# Altium PCB PCB1.PcbDoc (part 2 of 2)
Units mm, origin at the board's own origin, x right, y up, seen from the top; angles counter-clockwise.
Board outline 57.07 x 67 mm, 4 copper layers (Top Layer, Layer 1, Layer 2, Bottom Layer), stack 0.746 mm thick; 71 components, 65 nets, 322 pads, 168 vias.
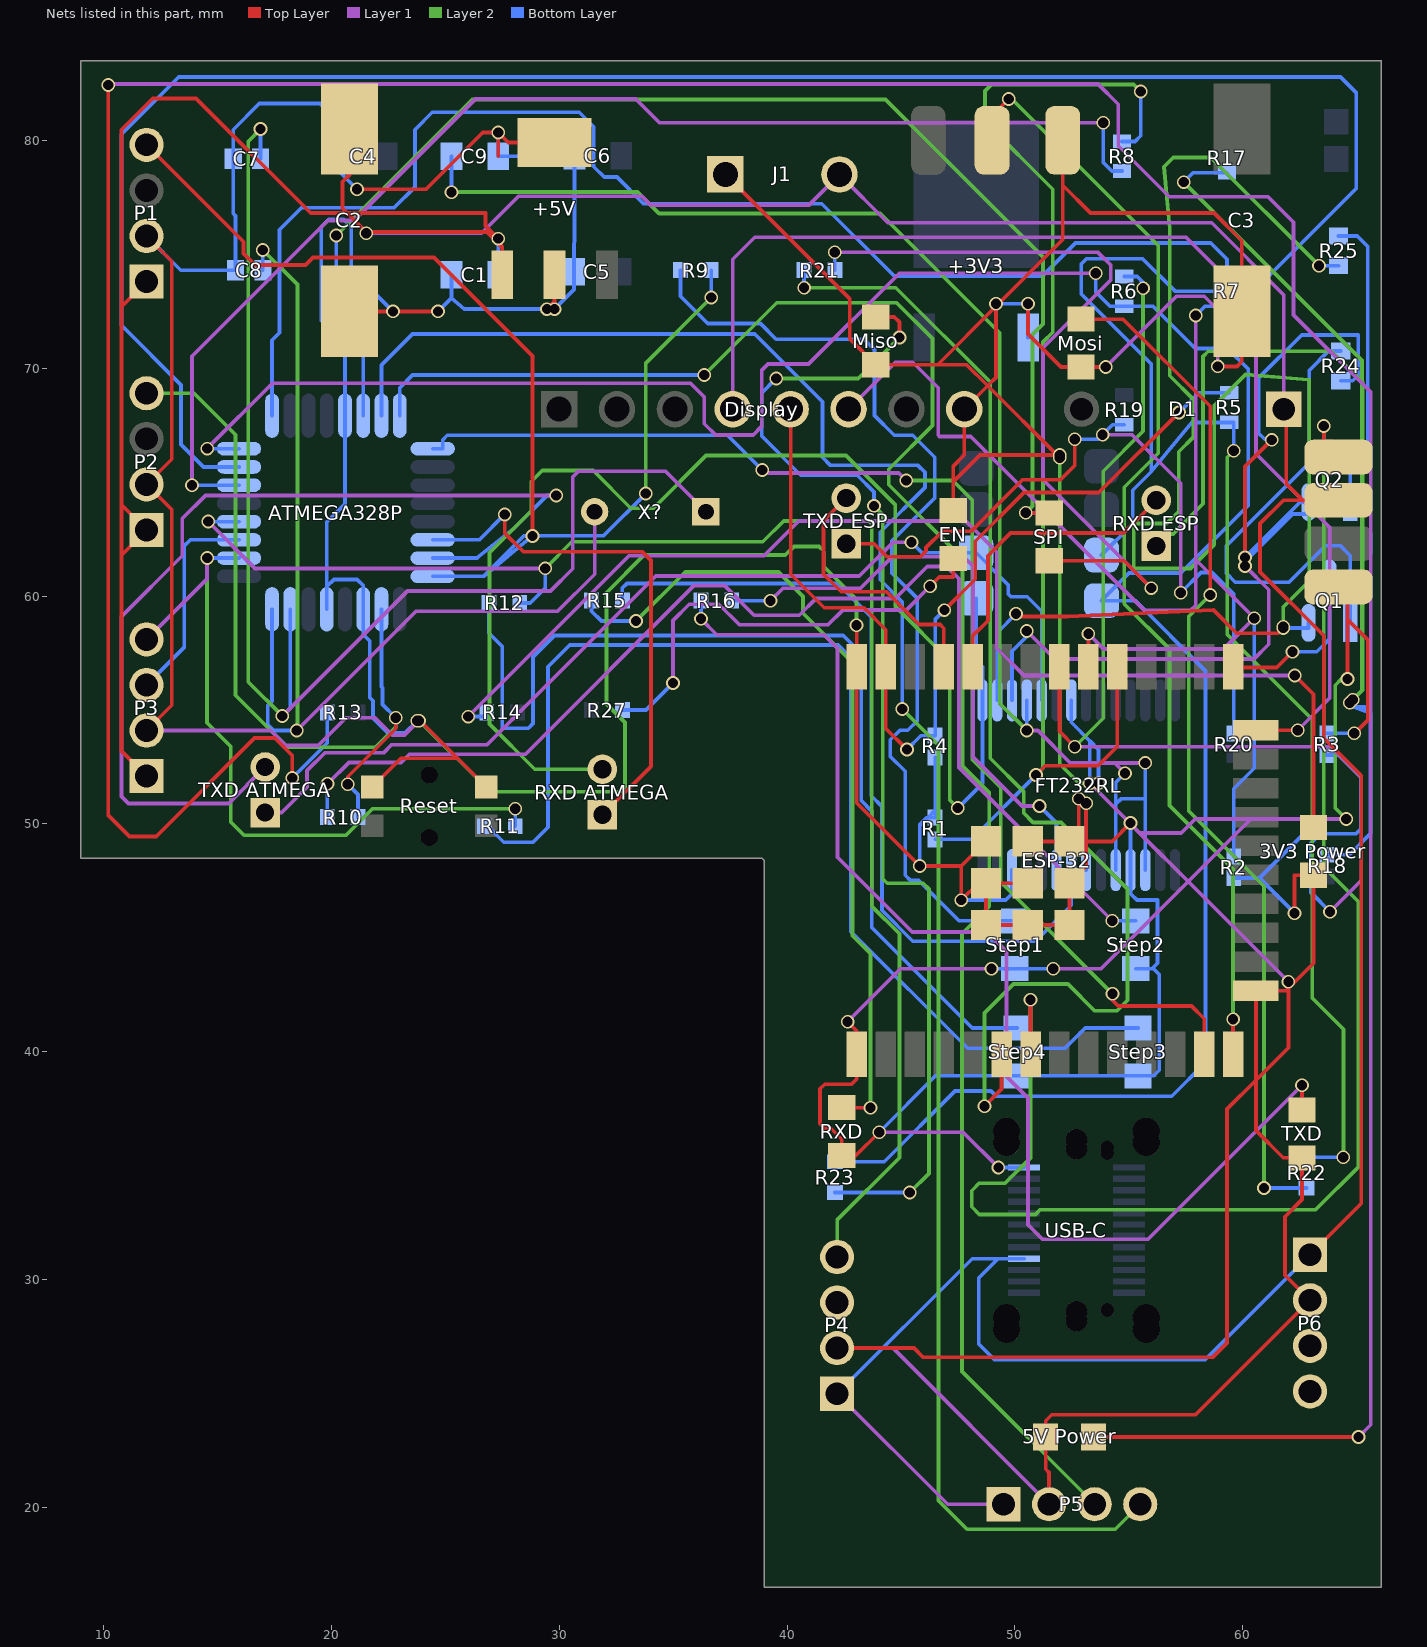
[diagram p4: the nets of this part, all layers, seen from the top]

## Via types
v1: diameter 0.6, hole 0.451, Top Layer to Bottom Layer, 159 vias
v2: diameter 1.7, hole 0.711, Top Layer to Bottom Layer, 8 vias
v3: diameter 1.27, hole 0.711, Top Layer to Bottom Layer, 1 vias

## Nets (pads, with @x,y where several pads share a name; then routed paths per layer and width w, separated by ;. In a path a pad name is that pad's centre, name@x,y a point inside that pad or via, vN(x,y) a via of type N, cw(c..) or ccw(c..) an arc to the next point about the centre after c; other vN are vias at no path point) (continued)
Dir3: ATMEGA328P.11 P3.3 | length 9.3
  Bottom Layer w0.164: P3.3@11.9,56.1 13.546,57.746 13.546,62.195 13.818,62.466 ATMEGA328P.11@15.955,62.466
Dir4: P4.3
Dir5: ATMEGA328P.24 P5.3 | length 83.5
  Layer 2 w0.164: v1(36.373,69.698) 39.548,72.873 44.806,72.873 46.38,71.298 46.38,67.485 44.461,65.565 44.461,64.885 47.701,61.645 47.701,52.553 48.874,51.38 48.874,46.384 47.676,45.187 47.676,25.974 P5.3@53.5,20.15
  Bottom Layer w0.164: ATMEGA328P.24@23.005,67.916 23.005,69.131 23.571,69.698 v1(36.373,69.698)
Dir6: P6.3
EOAT: ESP-32.7 pad.40 | length 66.3
  Top Layer w0.164: ESP-32.7@50.685,39.9 v1(50.685,42.291) ; v1(63.551,67.462) 63.551,66.1 pad.40@64.2,66.1
  Layer 2 w0.164: v1(50.685,42.291) 50.685,35.343 49.581,34.239 48.438,34.239 48.107,33.908 48.107,33.199 48.438,32.868 50.902,32.868 51.105,33.071 63.195,33.071 65.075,34.95 65.075,46.584 63.551,48.108 v1(63.551,67.462)
GND: "3V3 Power.1" "5V Power.1" +3V3.1 +5V.2 +5V.4 ATMEGA328P.3 ATMEGA328P.5 ATMEGA328P.21 C1.2 C2.2 C3.2 C4.2 C5.2 C6.2 C7.2 C8.2 C9.1 Display.8 EN.1 ESP-32.1 ESP-32.15 ESP-32.38 ESP-32.39 FT232RL.7 FT232RL.18 FT232RL.21 FT232RL.26 J1.1 Miso.1 Mosi.1 P1.2 P2.2 P3.2 P4.2 P5.2 P6.2 pad.34@52.1,80 pad.35 R1.2 R2.2 R3.2 R4.2 Reset.1 Reset.3 RXD.1 Step1.1 Step2.1 Step3.1 Step4.1 TXD.1 USB-C.B1 | length 524.2
  Top Layer w0.164: P3.2@11.9,54.1 13.005,55.205 13.005,63.795 P2.2@11.9,64.9 13.005,66.005 13.005,74.695 P1.2@11.9,75.8 ; C2.2@20.8,72.5 20.8,72.492 v1(22.708,72.492) v1(24.689,72.492) ; v1(21.133,77.851) 24.155,77.851 26.645,80.34 v1(27.325,80.34) ; Reset.3@21.8,51.625 23.058,52.883 25.542,52.883 ; v1(23.774,54.534) v1(23.851,54.534) 23.891,54.534 25.542,52.883 ; Reset.1@26.8,51.625 25.542,52.883 ; 27.325,79.299 v1(27.325,80.34) ; v1(29.464,72.593) 29.8,72.929 ; v1(29.794,72.593) 29.8,72.599 29.8,72.929 ; +5V.2@29.8,74.1 29.8,72.929 ; +5V.4@29.8,79.9 27.765,79.9 v1(27.325,80.34) ; J1.1@37.3,78.5 42.748,73.052 42.748,71.298 43.891,70.155 Miso.1@43.9,70.155 ; P4.2@42.2,27 45.568,27 45.974,26.594 58.674,26.594 59.309,27.229 59.309,37.49 60.575,38.756 ; v1(42.659,41.326) 43.065,40.919 ESP-32.1@43.065,39.9 43.065,38.811 42.836,38.583 41.656,38.583 41.453,38.379 41.453,36.855 41.656,36.652 41.917,36.652 42.4,36.17 RXD.1@42.4,35.45 43.019,35.45 v1(44.044,36.474) ; v1(43.053,58.725) 43.065,58.713 ESP-32.38@43.065,56.9 43.065,50.915 v1(45.822,48.158) ; v1(45.822,48.155) 47.65,48.155 ; EN.1@47.3,63.75 47.3,65.024 ; ESP-32.39@48.73,49.235 47.65,48.155 ; v1(49.174,72.822) v1@49.174,72.716 ; ESP-32.39@50.565,47.4 49.632,47.4 ESP-32.39@48.73,47.4 ; ESP-32.39@50.565,49.235 51.46,49.235 ESP-32.39@52.4,49.235 ; v1(50.571,72.822) 50.571,71.498 52.019,70.05 Mosi.1@52.9,70.05 v1(53.986,70.05) ; P5.2@51.5,20.15 51.5,21.539 51.35,21.689 51.35,23.1 51.35,23.816 51.613,24.079 57.929,24.079 P6.2@62.95,29.1 61.849,30.201 61.849,32.766 62.6,33.517 TXD.1@62.6,35.35 61.773,35.35 60.575,36.548 60.575,38.756 ; v1(51.968,66.065) v1@51.841,66.192 ; v1(51.968,66.192) v1@51.841,66.192 ; pad.34@52.1,80 52.1,78.029 ; v1(52.807,51.105) 52.807,49.642 ESP-32.39@52.4,49.235 ; v1(53.125,50.907) 53.125,49.235 ; v1(55.075,50.039) 54.271,49.235 53.125,49.235 ; v1(58.903,70.079) 59.741,70.079 59.956,70.294 C3.2@59.956,72.5 59.956,75.59 58.737,76.81 53.319,76.81 52.1,78.029 ; v1(62.001,43.078) v1@62.001,42.793 ; v1(62.268,46.088) 62.268,47.75 63.1,47.75 63.1,43.891 v1@62.001,42.793 ; pad.35@64.2,60.4 64.592,60.4 64.592,58.973 ; v1(64.592,56.363) 64.592,58.973 ; v1(64.897,53.975) 65.489,54.567 65.489,58.076 64.592,58.973 ; Miso.1@43.9,70.155 46.614,70.155 ; Miso.1@43.9,70.155 Miso.1@43.9,70.15 46.609,70.15 46.614,70.155 ; 46.614,70.155 v1@49.174,72.716 ; 46.614,70.155 47.879,70.155 48.807,69.227 ; 47.3,65.024 47.3,65.71 47.78,66.19 Display.8@47.78,68.2 48.807,69.227 ; 47.3,65.024 48.468,66.192 v1@51.841,66.192 ; 47.65,48.155 v1(47.65,46.66) 48.391,47.4 ESP-32.39@48.73,47.4 ; ESP-32.39@48.73,47.4 ESP-32.39@48.73,45.565 ESP-32.39@50.565,45.565 ESP-32.39@52.4,45.565 ESP-32.39@52.4,47.4 53.125,48.125 53.125,49.235 ; 48.807,69.227 v1@51.841,66.192 ; 48.807,69.227 49.174,69.594 v1@49.174,72.716 ; v1@49.174,72.716 52.1,75.641 52.1,78.029 ; ESP-32.39@52.4,49.235 53.125,49.235 ; 60.575,38.756 ESP-32.15@60.575,42.685 61.894,42.685 v1@62.001,42.793 ; 60.575,38.756 62.001,40.183 v1@62.001,42.793
  Layer 1 w0.164: P3.2@11.9,54.1 17.35,54.1 18.009,53.442 19.431,53.442 20.651,54.662 21.92,54.662 22.677,53.905 23.222,53.905 v1(23.851,54.534) ; P4.2@42.2,27 44.65,27 P5.2@51.5,20.15 ; v1(42.659,41.326) 44.983,43.65 v1(48.973,43.65) ; v1(44.044,36.474) 47.727,36.474 v1(49.276,34.925) ; v1(51.689,43.65) 53.785,43.65 57.607,47.473 ; v1(53.289,51.791) 53.48,51.6 55.058,50.022 55.474,49.606 ; v1(53.986,70.05) 57.088,73.152 58.309,73.152 58.903,72.558 v1(58.903,70.079) ; v1(62.001,43.078) 57.607,47.473 ; v1(64.541,50.216) 60.35,50.216 ; 55.474,49.606 57.607,47.473 ; 55.474,49.606 57.302,49.606 57.912,50.216 60.35,50.216 ; 57.607,47.473 60.35,50.216
  Layer 2 w0.164: v1(23.851,54.534) 26.975,51.41 32.69,51.41 32.893,51.613 32.893,54.458 32.08,55.27 32.08,60.147 33.731,61.798 39.927,61.798 40.309,62.18 41.401,62.18 41.611,61.97 41.611,61.299 43.053,59.857 v1(43.053,58.725) ; v1(51.968,66.192) v1(51.968,66.065) 51.968,52.629 52.807,51.791 v1(53.289,51.791) v1(53.671,51.791) ; v1(64.541,50.216) 64.058,50.699 64.058,56.083 64.337,56.363 v1(64.592,56.363)
  Bottom Layer w0.164: P1.2@11.9,75.8 13.4,74.3 C8.2@15.8,74.3 15.8,76.683 15.7,76.783 C7.2@15.7,79.2 15.7,80.467 16.843,81.61 19.507,81.61 20.375,80.742 C4.2@20.375,79.3 20.375,78.609 v1(21.133,77.851) ; ATMEGA328P.5@19.804,59.416 19.804,60.419 ; v1(22.708,72.492) 21.234,73.965 20.879,73.965 20.879,76.2 20.549,76.53 19.888,76.53 19.558,76.2 19.558,72.09 20.604,71.044 ATMEGA328P.21@20.604,67.916 20.604,64.046 19.804,63.246 19.804,60.419 ; v1(23.774,54.534) 23.241,54 22.473,54 21.836,54.637 21.836,55.405 21.692,55.55 21.692,58.031 21.404,58.318 ATMEGA328P.3@21.404,59.416 21.404,60.46 21.133,60.731 20.117,60.731 19.804,60.419 ; v1(24.689,72.492) 25.275,73.078 ; C1.2@25.275,74.1 25.275,73.078 ; C9.1@27.325,79.3 C6.2@30.676,79.299 ; C9.1@27.325,79.3 v1(27.325,80.34) ; v1(29.464,72.593) 25.834,72.593 25.275,73.078 ; v1(29.794,72.593) 30.651,73.45 C5.2@30.651,74.23 30.676,76.784 C6.2@30.676,79.299 ; C6.2@30.676,79.33 C6.2@30.676,79.299 ; v1(44.044,36.474) 46.519,38.95 Step4.1@50.1,38.95 Step3.1@55.4,38.95 56.095,38.95 56.337,39.192 56.337,43.396 56.083,43.65 56.02,43.65 ; v1(45.822,48.155) v1(45.822,48.158) 45.822,49.912 ; R4.2@46.5,52.925 46.5,51.587 R1.2@46.5,50.591 ; v1(47.65,46.66) 49.596,46.66 49.875,46.939 FT232RL.26@49.875,47.975 ; v1(48.973,43.65) Step1.1@50,43.65 v1(51.689,43.65) ; v1(49.174,72.822) v1(50.571,72.822) 50.58,72.813 +3V3.1@50.58,71.35 ; v1(49.276,34.925) USB-C.B1@50.4,34.925 ; FT232RL.7@52.475,55.425 52.475,54.459 53.289,53.645 ; v1(52.807,51.105) v1@53.125,50.786 ; FT232RL.21@53.125,47.975 v1@53.125,50.786 ; v1(53.125,50.907) v1@53.125,50.786 ; v1(53.289,51.791) 53.289,53.645 ; v1(53.671,51.791) 53.671,53.261 53.289,53.645 ; v1(55.075,50.039) FT232RL.18@55.075,47.975 55.075,46.939 55.354,46.66 56.261,46.66 56.261,43.891 56.02,43.65 ; Step2.1@55.3,43.65 56.02,43.65 ; R2.2@59.6,47.625 60.731,47.625 ; v1(62.268,46.088) 60.731,47.625 ; R3.2@63.7,53.975 v1(64.897,53.975) ; v1(64.541,50.216) 63.322,50.216 60.731,47.625 ; 45.822,49.912 R1.2@46.185,50.275 ; 45.822,49.912 45.822,49.987 46.109,50.275 R1.2@46.185,50.275 ; R1.2@46.185,50.275 R1.2@46.5,50.275 R1.2@46.5,50.591 ; R1.2@46.185,50.275 R1.2@46.5,50.591
GPIO0: ESP-32.25 Q1.3 | length 7.4
  Top Layer w0.164: ESP-32.25@59.575,56.9 59.575,56.871 61.493,56.871 v1(62.179,57.556)
  Bottom Layer w0.164: v1(62.179,57.556) 63.241,57.556 63.8,58.115 Q1.3@63.8,60.777
Inter: ATMEGA328P.25 ESP-32.13 | length 55.8
  Top Layer w0.164: v1(54.28,42.545) 54.28,42.266 54.534,42.012 57.746,42.012 58.305,41.453 ESP-32.13@58.305,39.9
  Layer 1 w0.164: v1(38.913,65.532) 38.913,65.405 44.907,65.405 v1(45.237,65.075)
  Layer 2 w0.164: v1(45.237,65.075) 47.269,65.075 48.133,64.211 48.133,52.832 49.378,51.587 49.378,47.447 v1(54.28,42.545)
  Bottom Layer w0.164: ATMEGA328P.25@24.455,66.466 24.892,66.466 24.892,66.853 25.095,67.056 37.389,67.056 v1(38.913,65.532)
LED_Ring: ESP-32.14 pad.34@49,80 | length 49.4
  Top Layer w0.164: pad.34@49,80 49,81.08 v1(49.733,81.813) ; ESP-32.14@59.575,39.9 v1(59.575,41.427)
  Layer 2 w0.164: v1(49.733,81.813) 49.86,81.813 56.286,75.387 56.286,66.269 54.796,64.778 54.796,59.659 56.779,57.675 56.779,50.815 59.575,48.019 v1(59.575,41.427)
MISO: ATMEGA328P.16 pad.41@53.8,59.8 R6.2 R23.2 | length 112
  Layer 1 w0.164: v1(14.554,66.472) 17.424,69.342 35.763,69.342 36.373,68.732 36.373,67.564 36.873,67.064 38.514,67.064 38.886,67.436 38.886,69.901 39.167,70.181 40.946,70.181 44.933,74.168 v1(53.543,74.168)
  Bottom Layer w0.164: v1(14.554,66.472) 14.56,66.466 ATMEGA328P.16@15.955,66.466 ; R23.2@42.1,35.175 44.268,35.175 47.371,38.278 48.946,38.278 49.174,38.049 56.887,38.049 58.368,39.531 58.368,56.71 55.279,59.8 pad.41@53.8,59.8 55.011,61.011 57.277,61.011 60.241,63.975 60.241,69.959 59.334,70.866 57.914,70.866 56.058,72.722 R6.2@54.802,72.722 54.177,72.722 53.543,73.355 v1(53.543,74.168)
MISO_PIN: ESP-32.31 R3.1 R6.1 | length 55.9
  Top Layer w0.164: ESP-32.31@51.955,56.9 51.955,54.065 v1(52.629,53.391)
  Layer 1 w0.164: v1(52.629,53.391) 63.843,53.391 65.194,52.04 65.194,47.515 v1(63.83,46.152)
  Layer 2 w0.164: v1(52.629,53.391) 53.873,54.635 53.873,65.481 55.626,67.234 v1(55.626,73.508)
  Bottom Layer w0.164: R6.1@54.802,74.022 55.366,74.022 55.626,73.762 v1(55.626,73.508) ; R3.1@63.7,53.025 64.211,53.025 65.177,52.059 65.177,49.784 64.967,49.574 63.398,49.574 62.992,49.167 62.992,46.99 v1(63.83,46.152)
MOSI: ATMEGA328P.15 pad.41@53.8,61.8 R5.2 R22.2 | length 147.7
  Layer 2 w0.164: v1(59.605,66.382) 59.317,66.094 59.317,58.312 63.044,54.585 63.044,42.366 64.414,40.996 v1(64.414,35.375)
  Bottom Layer w0.164: ATMEGA328P.15@15.955,65.666 14.395,65.666 13.411,66.65 13.411,69.266 10.795,71.882 10.795,80.264 13.311,82.78 64.286,82.78 64.973,82.093 64.973,77.876 60.477,73.381 57.023,73.381 55.6,74.804 53.137,74.804 52.907,74.574 52.907,73.259 55.982,70.185 55.982,65.456 ; pad.41@53.8,61.8 55.169,63.169 55.169,64.643 55.982,65.456 ; v1(59.605,66.382) 59.605,67.622 R5.2@59.402,67.622 57.767,67.622 55.982,65.456 ; R22.2@62.8,35.375 v1(64.414,35.375)
MOSI_PIN: Display.5 ESP-32.37 R4.1 R5.1 | length 42.7
  Top Layer w0.164: Display.5@40.16,68.2 40.16,60.96 41.637,59.483 43.373,59.483 44.335,58.522 ESP-32.37@44.335,56.9 44.335,54.192 v1(45.262,53.265) ; v1(46.906,59.384) 48.26,60.738 48.26,62.408 50.394,64.541 53.684,64.541 v1(57.201,68.058)
  Bottom Layer w0.164: v1(45.262,53.265) 45.872,53.875 R4.1@46.5,53.875 46.5,58.978 v1(46.906,59.384) ; v1(57.201,68.058) 58.064,68.922 R5.1@59.402,68.922
"Net3V3 Power_2": "3V3 Power.2" R14.2 | length 53.1
  Top Layer w0.164: v1(62.281,56.515) 63.1,55.696 63.1,49.85
  Layer 1 w0.164: v1(26.01,54.712) 33.071,61.773 38.989,61.773 40.513,63.297 47.842,63.297 49.2,61.939 49.2,57.709 50.394,56.515 v1(62.281,56.515)
  Bottom Layer w0.164: v1(26.01,54.712) 26.825,54.712 R14.2@26.825,54.9
"Net5V Power_2": "5V Power.2" R13.2 | length 169.3
  Top Layer w0.164: v1(10.211,82.423) 10.211,50.394 11.151,49.454 12.319,49.454 16.637,53.772 17.526,53.772 18.288,53.01 v1(18.288,52.019) ; 53.45,23.1 v1(65.075,23.1)
  Layer 1 w0.164: v1(10.211,82.423) 10.262,82.474 53.645,82.474 54.534,81.585 54.534,79.756 56.769,77.521 61.112,77.521 62.23,76.403 62.23,72.334 65.612,68.953 65.612,23.637 v1(65.075,23.1)
  Bottom Layer w0.164: v1(18.288,52.019) 19.825,53.556 R13.2@19.825,54.9
NetATMEGA328P_30: "RXD ATMEGA.1" ATMEGA328P.30 | length 23.4
  Top Layer w0.164: v1(27.61,63.576) 27.61,62.763 28.423,61.951 33.635,61.951 34.028,61.558 34.028,52.528 31.9,50.4
  Bottom Layer w0.164: ATMEGA328P.30@24.455,62.466 26.5,62.466 v1(27.61,63.576)
NetATMEGA328P_31: "TXD ATMEGA.2" ATMEGA328P.31 | length 43.7
  Layer 1 w0.164: 17.1,52.5 15.502,50.902 11.1,50.902 10.795,51.206 10.795,59.106 13.462,61.773 13.462,63.398 14.478,64.414 v1(29.87,64.414)
  Bottom Layer w0.164: ATMEGA328P.31@24.455,61.666 26.392,61.666 27.99,62.94 29.464,64.414 v1(29.87,64.414)
NetEN_2: EN.2 R27.1 | length 20.1
  Top Layer w0.164: v1(46.279,60.427) 46.685,60.833 47.3,60.833 EN.2@47.3,61.65
  Layer 1 w0.164: v1(35.001,56.185) 35.001,58.928 35.712,59.639 37.008,59.639 37.909,58.738 41.805,58.738 42.453,59.385 45.237,59.385 v1(46.279,60.427)
  Bottom Layer w0.164: R27.1@32.775,55 33.816,55 v1(35.001,56.185)
NetFT232RL_2: FT232RL.2 Q1.2 R25.1 | length 73.7
  Top Layer w0.164: v1(50.051,59.221) 50.165,59.107 52.31,59.107 58.711,59.386 59.728,58.369 61.544,58.369 v1(61.773,58.598)
  Layer 2 w0.164: v1(61.773,58.649) 61.773,59.517 62.911,60.655 62.911,69.494 60.122,69.723 58.742,68.343 58.742,62.247 57.709,61.214 55.214,61.214 55.214,63.186 56.658,63.186 57.186,63.714 57.186,66.329 57.837,66.98 57.837,68.63 56.794,69.672 56.794,76.124 56.54,78.842 56.947,79.248 58.598,79.248 v1(63.346,74.5)
  Bottom Layer w0.164: FT232RL.2@49.225,55.425 49.225,58.394 v1(50.051,59.221) ; v1(61.773,58.649) v1(61.773,58.598) 62.885,58.598 Q1.2@62.885,58.823 ; v1(63.346,74.5) R25.1@64.2,74.5
NetFT232RL_3: FT232RL.3 Q2.2 R24.1 | length 43.3
  Top Layer w0.164: v1(60.096,61.697) 60.096,65.684 v1(61.265,66.853)
  Layer 1 w0.164: v1(50.521,58.471) 51.751,57.24 60.492,57.24 61.137,57.886 61.137,60.275 v1(60.096,61.316)
  Bottom Layer w0.164: FT232RL.3@49.875,55.425 49.875,57.582 50.521,58.227 v1(50.521,58.471) ; v1(60.096,61.316) 60.096,61.513 62.184,63.602 62.885,63.602 Q2.2@62.885,64.123 62.523,64.123 v1(60.096,61.697) ; v1(61.265,66.853) 61.239,66.878 60.96,66.878 60.689,67.149 60.689,69.564 62.586,71.461 65.061,71.461 65.061,69.69 64.821,69.45 R24.1@64.3,69.45
NetMiso_2: Miso.2 R23.1 | length 53
  Top Layer w0.164: Miso.2@43.9,72.25 44.704,72.25 44.933,72.021 v1(44.933,71.349)
  Layer 2 w0.164: v1(39.522,69.545) 43.129,69.545 v1(44.933,71.349) ; v1(43.815,63.957) 44.196,63.576 44.196,47.6 44.399,47.396 45.975,47.396 46.229,47.142 46.229,34.664 v1(45.39,33.825)
  Bottom Layer w0.164: v1(39.522,69.545) 38.887,68.91 38.887,67.02 40.604,65.303 43.078,65.303 43.815,64.567 v1(43.815,63.957) ; R23.1@42.1,33.825 v1(45.39,33.825)
NetMosi_2: Mosi.2 R22.1 | length 45.2
  Top Layer w0.164: Mosi.2@52.9,72.15 54.748,72.15 58.572,68.326 v1(58.572,60.046)
  Layer 2 w0.164: v1(58.572,60.046) 57.633,59.106 57.633,50.571 60.935,47.269 v1(60.935,34.025)
  Bottom Layer w0.164: v1(60.935,34.025) R22.1@62.8,34.025
NetQ1_1: Q1.1 R24.2 | length 21.5
  Bottom Layer w0.164: R24.2@64.3,70.75 63.764,70.75 62.915,69.901 62.915,65.836 59.285,62.206 59.285,60.998 59.674,60.61 62.032,60.61 63.627,62.205 64.283,62.205 64.715,61.773 Q1.1@64.715,58.823
NetQ2_1: Q2.1 R25.2 | length 13
  Bottom Layer w0.164: R25.2@64.2,75.8 65.024,75.8 65.479,75.345 65.479,66.499 64.715,65.735 Q2.1@64.715,64.123
NetR9_2: R9.2 Step1.2 | length 43.1
  Bottom Layer w0.164: R9.2@35.325,74.3 35.325,73.152 36.519,71.958 38.837,71.958 39.522,71.272 43.383,71.272 43.84,70.815 43.84,67.92 44.704,67.056 45.517,67.056 46.482,66.091 46.482,64.306 44.598,62.422 44.598,61.015 45.72,59.893 45.72,54.534 45.3,54.114 44.956,54.114 44.533,53.691 44.533,52.963 45.186,52.31 45.186,47.752 45.418,47.519 45.779,47.519 47.549,45.75 Step1.2@50,45.75
NetR10_2: R10.2 Step2.2 | length 53.3
  Layer 1 w0.164: v1(19.837,51.765) 20.774,52.702 23.077,52.702 23.436,53.061 28.524,53.061 35.924,60.46 37.253,60.46 38.557,59.156 40.537,59.156 41.275,59.893 44.748,59.893 46.158,61.303 47.003,61.303 47.542,60.763 47.542,52.483 v1(54.275,45.75)
  Bottom Layer w0.164: R10.2@19.825,50.3 19.825,51.753 v1(19.837,51.765) ; v1(54.275,45.75) Step2.2@55.3,45.75
NetR11_2: R11.2 Step3.2 | length 51.4
  Bottom Layer w0.164: R11.2@26.725,49.9 26.873,49.9 27.573,49.2 28.854,49.2 29.515,49.86 29.515,56.896 30.467,57.849 42.24,57.849 42.801,57.288 42.801,45.286 47.93,40.157 52.197,40.157 53.09,41.05 Step3.2@55.4,41.05
NetR12_2: R12.2 Step4.2 | length 45.6
  Bottom Layer w0.164: R12.2@26.925,59.7 26.925,58.368 27.508,57.785 27.508,54.204 28.651,54.204 28.854,54.407 28.854,57.328 29.793,58.267 42.469,58.267 43.256,57.479 43.256,51.029 43.713,50.571 43.713,45.47 48.133,41.05 Step4.2@50.1,41.05
NetR15_2: R15.2 RXD.2 | length 36.2
  Top Layer w0.164: RXD.2@42.4,37.55 v1(43.661,37.55)
  Layer 2 w0.164: v1(33.376,58.903) 35.535,61.062 39.624,61.062 40.702,59.983 40.702,59.247 42.877,57.072 42.877,45.094 43.661,44.311 v1(43.661,37.55)
  Bottom Layer w0.164: R15.2@31.425,59.8 31.425,59.334 31.857,58.903 v1(33.376,58.903)
NetR16_2: R16.2 TXD.2 | length 54.2
  Top Layer w0.164: TXD.2@62.6,37.45 v1(62.6,38.532)
  Layer 1 w0.164: v1(36.225,59) 36.92,58.305 41.619,58.305 42.215,57.709 42.215,48.539 45.491,45.263 48.768,45.263 49.632,44.399 49.632,38.913 50.571,37.973 50.571,32.41 51.206,31.775 55.844,31.775 v1(62.6,38.532)
  Bottom Layer w0.164: v1(36.225,59) R16.2@36.225,59.8
NetR17_1: "RXD ESP.1" R17.1 R18.2 | length 68.7
  Layer 2 w0.164: 56.2,62.2 56.727,62.727 56.933,62.727 58.255,64.049 58.255,70.51 58.483,70.739 63.907,70.739 65.228,69.418 ; v1(57.404,78.165) 65.228,70.341 65.228,69.418 ; v1(64.694,55.32) v1(64.828,55.455) 65.228,55.855 ; 65.228,55.855 65.253,55.879 65.253,69.394 65.228,69.418 ; 65.228,55.855 65.228,69.418
  Bottom Layer w0.164: v1(57.404,78.165) 57.81,78.572 R17.1@59.302,78.572 ; R18.2@63.7,48.65 64.677,48.65 65.608,49.581 65.608,54.864 ; v1(64.694,55.32) v1@64.828,55.136 ; v1(64.828,55.455) v1@64.828,55.136 ; v1@64.828,55.136 65.336,55.136 65.608,54.864 ; v1@64.828,55.136 65.608,54.864
NetR19_1: "TXD ESP.1" R19.1 R20.2 | length 33.9
  Top Layer w0.164: 42.6,62.3 43.821,62.3 44.4,61.721 45.847,61.721 46.102,61.976 46.102,62.129 46.812,62.84 48.069,62.84 50.33,65.101 51.995,65.101 52.629,65.735 v1(52.629,66.878)
  Layer 1 w0.164: v1(53.848,67.081) 55.143,67.081 57.277,64.948 v1(57.277,60.147)
  Bottom Layer w0.164: v1(52.629,66.878) 53.645,66.878 v1(53.848,67.081) 54.288,67.522 R19.1@54.802,67.522 ; v1(57.277,60.147) 58.167,61.037 58.655,61.037 59.6,60.092 R20.2@59.6,53.975
NetR21_1: R21.1 SPI.2 | length 35.5
  Top Layer w0.164: SPI.2@51.5,61.55 54.782,61.55 v1(55.982,60.35)
  Layer 1 w0.164: v1(42.1,75.082) 53.645,75.082 54.204,74.524 54.204,73.866 51.232,70.894 51.232,65.1 v1(55.982,60.35)
  Bottom Layer w0.164: R21.1@42.1,74.3 v1(42.1,75.082)
OscIN: ATMEGA328P.7 C7.1 X?.1 | length 58.8
  Layer 1 w0.164: v1(17.856,54.737) 23.343,60.223 29.622,60.223 30.601,61.203 30.601,65.227 30.856,65.482 34.658,65.482 X?.1@36.44,63.7
  Layer 2 w0.164: v1(16.9,80.493) 16.358,79.95 16.358,56.236 v1(17.856,54.737)
  Bottom Layer w0.164: C7.1@16.9,79.2 v1(16.9,80.493) ; v1(17.856,54.737) 18.204,55.085 ATMEGA328P.7@18.204,59.416
OscOUT: ATMEGA328P.8 C8.1 X?.2 | length 47.8
  Layer 1 w0.164: v1(18.491,54.101) 23.725,59.334 29.934,59.334 31.56,60.96 X?.2@31.56,63.7
  Layer 2 w0.164: v1(17,75.184) 18.517,73.667 18.517,54.126 v1(18.491,54.101)
  Bottom Layer w0.164: C8.1@17,74.3 v1(17,75.184) ; ATMEGA328P.8@17.404,59.416 17.404,55.382 17.22,55.198 17.22,54.356 17.475,54.101 v1(18.491,54.101)
RES: Display.4 ESP-32.24 | length 53.5
  Top Layer w0.164: ESP-32.24@60.575,54.115 v1(62.408,54.115)
  Layer 1 w0.164: Display.4@37.62,68.2 37.62,74.778 38.585,75.743 57.506,75.743 60.581,72.667 60.581,66.244 63.818,63.008 63.818,55.525 v1(62.408,54.115)
RXD: "TXD ATMEGA.1" FT232RL.5 pad.41@48.3,61.9 | length 44.8
  Layer 1 w0.164: 17.1,50.5 17.827,50.5 18.94,51.613 18.94,52.34 19.72,53.12 22.298,53.12 22.659,53.481 26.843,53.481 34.241,60.878 43.174,60.878 44.653,62.357 v1(45.466,62.357)
  Bottom Layer w0.164: v1(45.466,62.357) 45.923,61.9 pad.41@48.3,61.9 49.71,60.49 49.71,60.091 49.83,59.97 50.539,59.97 51.175,59.334 FT232RL.5@51.175,55.425
RXD_ESP32: "RXD ESP.2" ESP-32.34 | length 13.5
  Top Layer w0.164: ESP-32.34@48.145,56.9 48.145,58.242 48.819,58.916 48.819,61.773 49.809,62.763 54.763,62.763 56.2,64.2
RXDLED: FT232RL.22 R15.1 | length 36.3
  Bottom Layer w0.164: R15.1@32.775,59.8 32.775,60.35 32.978,60.554 42.229,60.554 43.697,59.085 43.697,51.239 44.164,50.772 44.164,46.21 45.517,44.856 50.902,44.856 52.475,46.43 FT232RL.22@52.475,47.975
SCK: ATMEGA328P.17 R7.2 | length 59.1
  Bottom Layer w0.164: ATMEGA328P.17@17.404,67.916 17.404,71.227 17.729,71.552 17.729,76.073 18.694,77.038 22.758,77.038 23.673,77.953 23.673,80.467 24.435,81.229 30.886,81.229 31.521,80.594 31.521,78.842 31.979,78.384 32.537,78.384 33.706,77.216 41.529,77.216 44.704,74.041 51.206,74.041 52.654,75.489 58.598,75.489 59.309,74.778 59.309,74.022 R7.2@59.302,74.022
SCK_PIN: Display.6 ESP-32.30 R2.1 R7.1 | length 60.2
  Top Layer w0.164: ESP-32.30@53.225,56.9 v1(53.225,58.344)
  Layer 1 w0.164: Display.6@42.7,68.2 44.756,70.256 45.517,70.256 46.634,69.139 46.634,67.056 46.689,67.001 48.06,67.001 55.688,59.373 57.709,59.373 57.936,59.6 57.936,61.596 ; v1(53.225,58.344) 53.886,57.682 59.152,57.682 v1(60.501,59.032) 57.936,61.596 ; v1(57.936,72.315) 57.936,61.596
  Bottom Layer w0.164: v1(57.936,72.315) 58.343,72.722 R7.1@59.302,72.722 ; R2.1@59.6,48.575 59.6,51.548 60.501,52.449 v1(60.501,59.032)
SS: ATMEGA328P.14 R8.2 | length 55.5
  Layer 1 w0.164: v1(13.894,64.866) 13.894,70.525 19.844,76.475 21.002,76.475 26.335,81.809 33.362,81.809 34.4,80.771 v1(53.873,80.771)
  Bottom Layer w0.164: v1(13.894,64.866) ATMEGA328P.14@15.955,64.866 ; v1(53.873,80.771) 53.873,79.031 54.254,78.65 R8.2@54.701,78.65
SS_PIN: ESP-32.29 R1.1 R8.1 | length 54.7
  Top Layer w0.164: v1(50.927,52.146) 51.333,52.553 53.645,52.553 54.495,53.403 ESP-32.29@54.495,56.9
  Layer 2 w0.164: v1(50.927,52.146) 51.232,52.451 51.232,71.145 51.664,71.577 51.664,77.851 48.691,80.824 48.691,82.169 48.971,82.449 55.219,82.449 v1(55.524,82.144)
  Bottom Layer w0.164: R1.1@46.5,49.325 48.106,49.325 v1(50.927,52.146) ; R8.1@54.701,79.95 55.27,79.95 55.524,80.204 v1(55.524,82.144)
Step1: ATMEGA328P.32 P1.4 R9.1 | length 53.9
  Top Layer w0.164: P1.4@11.9,79.8 16.154,75.546 16.154,75.032 16.662,74.524 18.872,74.524 19.202,74.854 24.511,74.854 28.829,70.536 v1(28.829,62.636)
  Layer 2 w0.164: v1(33.807,64.5) 33.807,70.231 v1(36.675,73.099)
  Bottom Layer w0.164: ATMEGA328P.32@24.455,60.866 26.681,60.866 ; v1(28.829,62.636) 26.681,60.866 ; v1(33.807,64.5) 31.961,62.653 28.468,62.653 26.681,60.866 ; v1(36.675,73.099) R9.1@36.675,74.3
Step2: ATMEGA328P.2 P2.4 R10.1 | length 35.3
  Top Layer w0.164: v1(20.726,51.74) 20.726,52.07 22.835,54.178 v1(22.835,54.661)
  Layer 2 w0.164: P2.4@11.9,68.9 13.98,68.9 15.799,67.081 15.799,55.651 18.085,53.365 21.946,53.365 22.835,54.254 v1(22.835,54.661)
  Bottom Layer w0.164: v1(20.726,51.74) 21.175,51.291 R10.1@21.175,50.3 ; ATMEGA328P.2@22.204,59.416 22.204,56.029 22.254,55.979 22.254,55.241 v1(22.835,54.661)
Step3: ATMEGA328P.10 P3.4 R11.1 | length 32.1
  Layer 1 w0.164: P3.4@11.9,58.1 14.554,60.754 v1(14.554,61.671)
  Layer 2 w0.164: v1(14.554,61.671) 14.554,54.439 15.586,53.407 15.586,50.097 16.178,49.505 20.65,49.505 21.819,50.673 v1(28.075,50.673)
  Bottom Layer w0.164: v1(14.554,61.671) 14.559,61.666 ATMEGA328P.10@15.955,61.666 ; R11.1@28.075,49.9 v1(28.075,50.673)
Step4: ATMEGA328P.12 P4.4 R12.1 | length 68.3
  Layer 1 w0.164: v1(14.601,63.271) 16.658,61.214 v1(29.388,61.214)
  Layer 2 w0.164: v1(29.388,61.214) 30.556,62.382 38.938,62.382 39.853,63.297 43.586,63.297 43.713,63.17 43.713,46.406 44.934,45.186 44.934,35.358 42.2,32.624 P4.4@42.2,31
  Bottom Layer w0.164: v1(14.601,63.271) 14.606,63.266 ATMEGA328P.12@15.955,63.266 ; R12.1@28.275,59.7 28.737,59.7 29.388,60.35 v1(29.388,61.214)
Step5: ATMEGA328P.23 P5.4 | length 87.4
  Layer 2 w0.164: v1(45.06,55.042) 46.647,53.454 46.647,20.307 47.904,19.05 54.4,19.05 P5.4@55.5,20.15
  Bottom Layer w0.164: ATMEGA328P.23@22.204,67.916 22.204,70.134 23.571,71.501 38.583,71.501 41.554,68.529 41.554,66.092 41.911,65.735 45.745,65.735 46.05,65.43 46.05,64.76 44.088,62.798 44.088,60.716 45.06,59.744 v1(45.06,55.042)
Step6: P6.4
Test_1: ESP-32.6 R21.2 | length 55.1
  Top Layer w0.164: v1(48.666,37.617) 49.415,38.366 ESP-32.6@49.415,39.9
  Layer 2 w0.164: v1(40.75,73.533) 44.776,73.533 48.916,69.393 48.916,52.886 50.394,51.409 50.394,50.47 50.8,50.063 52.019,50.063 54.94,47.142 54.94,42.266 54.483,41.808 53.492,41.808 52.324,42.977 49.936,42.977 48.666,41.707 v1(48.666,37.617)
  Bottom Layer w0.164: v1(40.75,73.533) R21.2@40.75,74.3
Test_2: ATMEGA328P.22 SPI.1 | length 57.3
  Top Layer w0.164: v1(50.472,63.652) 50.475,63.65 SPI.1@51.5,63.65
  Layer 2 w0.164: v1(20.218,75.819) 26.187,81.788 44.323,81.788 51.232,74.879 51.232,71.933 50.775,71.476 50.775,63.955 v1(50.472,63.652)
  Bottom Layer w0.164: v1(20.218,75.819) 20.218,73.373 21.404,72.187 ATMEGA328P.22@21.404,67.916
TXD: "RXD ATMEGA.2" FT232RL.1 pad.41@48.3,59.9 | length 60.1
  Layer 2 w0.164: 31.9,52.4 28.931,52.4 26.949,54.381 26.949,61.9 28.778,63.729 28.778,65.024 29.261,65.507 31.496,65.507 33.147,63.856 34.138,63.856 36.45,66.168 42.587,66.168 44.755,64 44.755,59.538 47.142,57.15 47.142,51.054 v1(47.498,50.698)
  Bottom Layer w0.164: v1(47.498,50.698) 48.575,51.775 FT232RL.1@48.575,55.425 48.575,56.896 48.3,57.171 pad.41@48.3,59.9
TXD_ESP32: "TXD ESP.2" ESP-32.35 | length 11.7
  Top Layer w0.164: 42.6,64.3 41.605,63.305 41.605,60.96 42.38,60.185 44.364,60.185 45.801,58.748 46.713,58.748 46.875,58.586 ESP-32.35@46.875,56.9
TXDLED: FT232RL.23 R16.1 | length 26.9
  Layer 1 w0.164: v1(39.279,59.8) 39.821,60.342 43.231,60.342 44.61,61.721 47.753,61.721 48.158,61.316 48.158,52.938 50.307,50.79 v1(51.079,50.79)
  Bottom Layer w0.164: R16.1@37.575,59.8 v1(39.279,59.8) ; v1(51.079,50.79) 51.825,50.044 FT232RL.23@51.825,47.975
VCCIO: C9.2 FT232RL.4 FT232RL.17 FT232RL.19 | length 64.4
  Layer 1 w0.164: v1(50.525,54.098) 51.008,54.098 52.426,52.68 54.379,52.68 ; v1(54.831,52.227) 54.379,52.68 ; v1(55.725,52.68) 54.379,52.68
  Layer 2 w0.164: v1(25.275,77.726) 33.448,77.726 34.389,76.784 44.094,76.784 49.334,71.545 49.334,55.289 v1(50.525,54.098)
  Bottom Layer w0.164: v1(25.275,77.726) C9.2@25.275,79.3 ; v1(50.525,54.098) FT232RL.4@50.525,55.425 ; FT232RL.19@54.425,47.975 54.425,50.866 ; v1(54.831,52.227) 54.425,51.821 54.425,50.866 ; FT232RL.17@55.725,47.975 55.725,51.086 ; v1(55.725,52.68) 55.725,51.086 ; 54.425,50.866 54.661,51.102 55.709,51.102 55.725,51.086
Vin: +5V.1 C1.1 C2.1 D1.1 J1.2 P1.1 P2.1 P3.1 P4.1 P5.1 P6.1 pad.37 USB-C.B9 | length 200.8
  Top Layer w0.164: P3.1@11.9,52.1 10.795,53.205 10.795,61.795 ; P1.1@11.9,73.8 10.795,72.695 ; C2.1@20.8,80.5 20.8,78.481 20.497,78.177 20.497,77.014 20.702,76.809 ; v1(21.539,75.92) v1@21.539,75.971 ; +5V.1@27.5,74.1 27.5,75.294 ; D1.1@61.8,68.2 61.8,67.507 61.902,67.507 61.902,64.946 62.648,64.2 ; P6.1@62.95,31.1 65.202,33.352 65.202,52.121 63.55,53.773 63.55,58.269 60.757,61.062 60.757,63.184 61.773,64.2 62.648,64.2 ; pad.37@64.2,64.2 62.648,64.2 ; 10.795,61.795 10.795,64.005 ; 10.795,61.795 P2.1@11.9,62.9 10.795,64.005 ; 10.795,64.005 10.795,72.695 ; 10.795,72.695 10.795,80.467 12.167,81.839 14.072,81.839 19.102,76.809 20.702,76.809 ; 20.702,76.809 26.773,76.809 26.773,76.239 v1(27.325,75.687) 27.5,75.294 ; 20.702,76.809 v1@21.539,75.971 ; v1@21.539,75.971 26.822,75.971 27.5,75.294
  Layer 1 w0.164: v1(21.539,75.92) 26.594,75.92 28.214,77.54 33.633,77.54 34.008,77.165 40.965,77.165 J1.2@42.3,78.5 44.422,76.378 58.64,76.378 61.8,73.218 D1.1@61.8,68.2 ; P4.1@42.2,25 47.05,20.15 P5.1@49.5,20.15
  Bottom Layer w0.164: C1.1@27.325,74.1 v1(27.325,75.687) ; P4.1@42.2,25 48.125,30.925 49.264,30.925 ; USB-C.B9@50.4,30.925 49.264,30.925 ; P6.1@62.95,31.1 58.342,26.492 49.105,26.492 48.412,27.185 48.412,30.074 49.264,30.925
pads on no net: ATMEGA328P.18 ATMEGA328P.19 ATMEGA328P.20 ATMEGA328P.27 ATMEGA328P.28 ESP-32.4 ESP-32.5 ESP-32.8 ESP-32.9 ESP-32.10 ESP-32.11 ESP-32.12 ESP-32.16 ESP-32.17 ESP-32.18 ESP-32.19 ESP-32.20 ESP-32.21 ESP-32.22 ESP-32.23 ESP-32.27 ESP-32.28 ESP-32.32 ESP-32.36 FT232RL.6 FT232RL.8 FT232RL.9 FT232RL.10 FT232RL.11 FT232RL.12 FT232RL.13 FT232RL.14 FT232RL.24 FT232RL.25 FT232RL.27 FT232RL.28 R17.2 R18.1 R19.2 R20.1 Reset. Reset.2 USB-C.25 USB-C.27 USB-C.28 USB-C.29 USB-C.30 USB-C.31 USB-C.32 USB-C.33 USB-C.34 USB-C.35 USB-C.36 USB-C.37 USB-C.38 USB-C.39 USB-C.A1 USB-C.A2 USB-C.A3 USB-C.A4 USB-C.A5 USB-C.A6 USB-C.A7 USB-C.A8 USB-C.A9 USB-C.A10 USB-C.A11 USB-C.A12 USB-C.B2 USB-C.B3 USB-C.B4 USB-C.B5 USB-C.B8 USB-C.B10 USB-C.B11 USB-C.B12 USB-C.S_9_H2
copper on no net:
  other v2: 55.8,28 49.7,28.1 55.8,28.2 49.7,28.3 49.6,36.2 55.8,36.2 49.6,36.4 55.8,36.4

## Polygon pours and split planes (outlines as drawn)
no net on Bottom Layer "NONET_L04_P001" (solid, pour order 1): 9.216,83.588 9.217,83.587 66.291,83.587 66.291,16.588 66.29,16.588 39.216,16.588 39.166,16.638 39.166,48.538 9.266,48.538 9.216,48.588
no net on Top Layer "NONET_L01_P000" (solid, pour order 0): 9.208,83.41 66.283,83.41 66.283,16.41 39.208,16.41 39.108,16.51 39.108,48.41 9.208,48.41

## Keep-outs
Top Layer:
  rectangle: 15.1,55.3 31.9,60.6
  rectangle: 16.3,60.7 26.9,69.8

## Silkscreen, mask and mechanical layers (free items; w line width, h text height)
Top Overlay:
  drawing of 4 lines, arcs and shapes, not listed
  text "D" at 48.654,77.154 h0.92
  text "+" at 45.654,76.9 h1.52
  text "-" at 51.554,76.892 h1.52
  text "Led Ring" at 46.854,75.229 h0.52
  text "+" at 35.954,72.4 h1.52
  text "-" at 41.154,72.192 h1.52
  text "Pin" at 60.954,65.854 h0.52
  text "+24V" at 60.52,63.92 h0.5
  text "+5V" at 60.754,62.054 h0.52
  text "EOT Tool" at 59.846,61.054 h0.6 r90
  text "GND" at 60.854,60.054 h0.52
  text "Project Wuldor" at 15.254,59.462 h1.22
  text "Lenarcic Lucas" at 15.254,57.454 h1.22
  text "V0.5.1" at 15.254,55.454 h1.22
Bottom Overlay:
  text "5V" at 52.546,65.254 h0.9
  text "D-" at 47.146,65.154 h0.9
  text "D+" at 47.146,63.404 h0.9
  text "3V3" at 52.546,63.254 h0.9
  text "RXD" at 47.046,61.454 h0.9
  text "MOSI" at 52.746,61.354 h0.9
  text "TXD" at 47.046,59.454 h0.9
  text "MISO" at 52.746,59.354 h0.9
  text "THX M.M, L ;)" at 57.646,21.762 h0.92
Outline:
  lines w1.2: 9,48.1 9,83.7 65.874,83.7 66.5,83.075 66.5,16.5 39,16.5 39,48.1 31.525,48.1 16.575,48.1 9,48.1

## Text inside footprints (layer, text, board x,y; h text height)
Display: Bottom Overlay "1" at 27.8,67.1 h1.02; Bottom Overlay "8" at 49.7,68.4 h1.02 r180